# KiCad board amp board.kicad_pcb (continued)
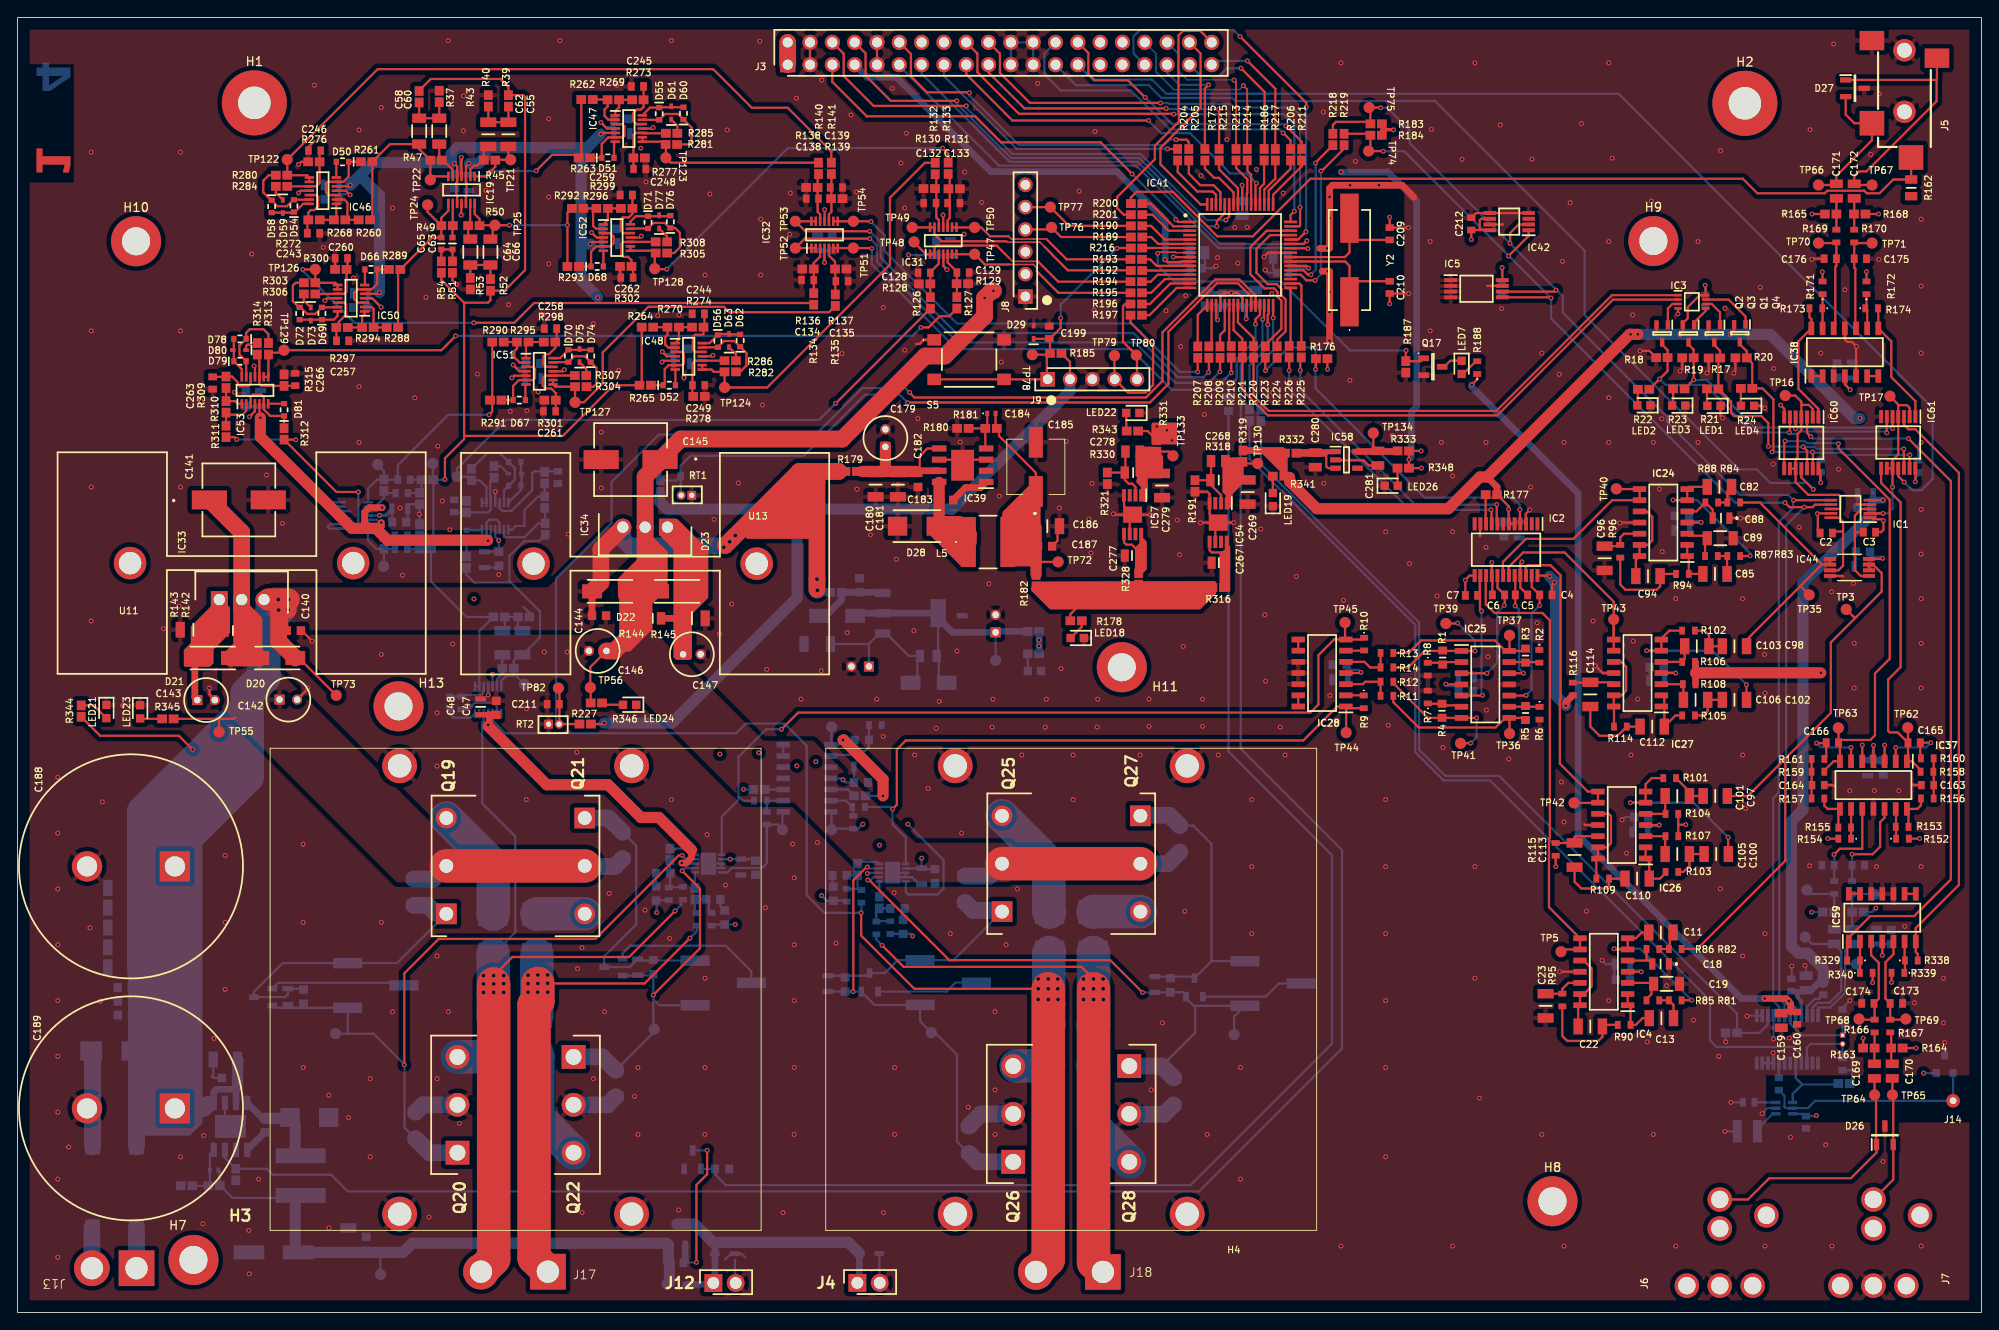
[diagram p0: board, top side]
## Routing (per net, layer and track width the routed paths; a pad name or vN(x,y) marks a point on that pad's centre or on a via; arc(x,y) is an arc through that point) (continued)
  Bottom w1.905: 131.58,26.68 130.23,28.03 Q28.1
/Main Board/Output Stage/Neg R: length 45.5
  Top w0.254: v1(72.36,36.12) 77.67,41.44 77.67,48.21 v1(75.64,50.24)
  Bottom w0.254: Q23.2 72.2,38.33 C217.2 v1(72.36,36.12) 72.36,35.62 ; 72.36,35.62 73.03,34.95 VR4.1 ; 72.36,35.62 72.36,31.82 R243.1 ; U14.7 75.96,50.56 v1(75.64,50.24)
  Bottom w1.905: R243.1 66.56,29.07 Q22.1
/Main Board/Output Stage/Pos L: length 52.4
  Top w0.254: 95.12,36.47 95.12,49.16 96.63,50.67 v1(96.72,50.67)
  Bottom w0.254: v1(96.72,50.67) 96.87,50.52 U15.9 ; 108.29,18.1 R249.1 106.92,19.44 106.92,29.32 104.56,31.69 104.15,31.69 TP118.1 102.73,33.11 VR5.1 97.53,34.99 Q24.2 v1(95.07,36.5) 92.22,36.5 C226.2
  Bottom w1.905: 108.29,18.1 109.25,17.13 Q26.1
/Main Board/Output Stage/Pos R: length 84.6
  Top w0.254: v1(75.64,51.99) 75.26,51.99 65.76,42.49 47.93,42.49 44.02,38.58 v1(44.02,28.17)
  Bottom w0.254: TP112.1 37.58,31.71 ; 37.58,31.71 40.52,31.71 44.04,28.19 44.04,21.03 R235.1 ; 37.58,31.71 VR3.1 29.24,34.66 Q18.2 ; U14.9 76.07,51.56 v1(75.64,51.99)
  Bottom w1.905: R235.1 46.9,18.17 Q20.1
/Main Board/SCL: length 150
  Top w0.254: IC42.2 170.85,123.78 169.88,122.81 169.88,121.64 ; TP75.1 155.11,137.08 ; IC5.6 174.94,116.14 v1(175.11,116.31) ; R183.1 153.98,136.93 ; 206.41,92.41 202.14,92.41 v1(202.13,92.41) ; R218.2 149.71,135.11 150.06,135.46 153.75,135.46
  Bottom w0.254: IC36.17 200.48,34.78 199.82,35.44 199.82,58.52 200.46,59.16 200.46,89.93 202.08,91.55 202.08,92.35 v1(202.13,92.41) 201.52,93.02 196.04,93.02 187.73,101.32 187.73,101.92 187.39,102.26 187.35,102.26 175.87,113.74 175.87,115.62 v1(169.86,121.63) 158.45,133.05 158.45,134.49 155.88,137.06 v1(155.14,137.06)
/Main Board/SDA: length 144.1
  Top w0.254: 174.52,115.47 174.5,115.49 IC5.5 ; v1(201.17,92.13) 201.68,91.62 204.29,91.62 204.58,91.91 206.41,91.91 ; TP74.1 155.41,132.13 ; R219.2 153.81,134.1 ; R184.1 153.98,132.33 ; IC42.1 171.99,122.48 v1(169.7,120.19) 169.72,120.19 169.77,120.24
  Bottom w0.254: v1(201.17,92.13) 195.5,92.13 174.54,113.09 v1(174.54,115.41) 157.84,132.11 v1(155.44,132.11) ; v1(203.35,91.62) 201.29,89.56 201.29,58.62 200.51,57.84 200.51,35.7 201.12,35.09 IC36.18
/Main Board/SPI1_CS_EQ: length 45.1
  Top w0.254: v1(142.04,107.16) 142.01,107.19 R223.2 ; 147.73,107.34 147.78,107.39 R176.1 ; 171.01,89.69 170.99,89.7 v1(170.99,91.34)
  Bottom w0.254: v1(142.04,107.16) 144.65,109.78 147.75,109.78 147.73,109.75 v1(147.73,107.29) 147.73,105.13 160.15,92.71 170.15,92.71 170.99,91.87 v1(170.99,91.34)
/Main Board/SPI1_MISO: length 0.1
  Top w0.254: 143.42,108.56 143.33,108.65
/Main Board/SPI1_MOSI: length 33.8
  Top w0.254: v1(168.35,91.92) 168.35,89.74 168.41,89.69 ; 146,108.66 v1(146,107.18)
  Bottom w0.254: v1(146,107.18) 146,104.95 159.05,91.9 168.33,91.9 v1(168.35,91.92) 168.4,91.87
/Main Board/SPI1_SCLK: length 34.1
  Top w0.254: 167.77,91.16 167.69,91.24 v1(167.69,91.31) 167.76,91.25 167.76,89.69 ; R226.2 v1(144.73,107.17)
  Bottom w0.254: v1(144.73,107.17) 144.73,105.03 158.44,91.31 v1(167.69,91.31)
/Main Board/TV_L: length 67
  Top w0.254: IC61.3 214.7,100.99 215.21,100.48 216,100.48 220.95,95.53 220.95,48.64 216.05,43.74 216.05,43.66 216.05,43.66 IC59.7 216.05,41 216.26,40.79 R338.2
/Main Board/TV_R: length 82.2
  Top w0.254: 208.43,42.64 210.88,45.09 215.87,45.09 220.04,49.26 220.04,94.59 v1(215.21,99.42) 215.14,99.49 ; IC60.3 203.67,100.06 v1(204.09,99.64) ; R329.2 208.25,42.02
  Bottom w0.254: v1(215.21,99.42) 204.32,99.42 v1(204.09,99.64)
/Main Board/Von_L: length 68.2
  Top w0.254: v1(98.4,41.76) 100.84,39.32 121.08,39.32 v2(122.46,37.94)
  Top w3.81: J18.1 122.46,5.68 v2(122.46,36.82)
  Bottom w0.254: R30.1 97.74,42.42 v1(98.4,41.76)
  Bottom w3.81: R253.1 122.46,32.74 122.46,40.89 R252.2
  vias: v2(121.32,37.94) v2(121.32,36.82) v2(121.32,35.6) v2(122.46,35.6) v2(123.55,37.94) v2(123.55,36.82) v2(123.58,35.6)
/Main Board/Von_R: length 61.8
  Top w0.254: v2(59.22,37.43) 71.36,37.43 v1(76.52,42.58)
  Top w3.81: v2(59.22,37.43) 59.22,35.42 58.78,34.99 58.78,6.21 J17.1
  Bottom w0.254: R27.1 77.32,43.38 v1(76.52,42.58) ; 59.11,33.81 R241.1
  Bottom w3.81: R240.2 59.11,33.81
  vias: v2(58.1,38.37) v2(58.1,37.4) v2(58.1,36.44) v2(59.22,38.39) v2(59.19,36.44) v2(60.33,38.39) v2(60.33,37.45) v2(60.33,36.44)
/Main Board/Vop_L: length 131.4
  Top w0.254: v1(96.01,45.47) 96.01,42.88 102.07,36.82 v2(117.31,36.82)
  Top w3.81: v2(117.31,36.82) 117.31,6.01 J18.2
  Bottom w0.254: IC18.3 54.06,67.35 55.52,65.89 81.79,65.89 82.89,66.99 87.29,66.99 89.81,64.47 89.81,47.47 91.82,45.47 v1(96.01,45.47) 96.04,45.49 R29.2
  Bottom w3.81: R250.2 117.38,40.87 117.38,32.67 R251.1
  vias: v2(116.16,37.94) v2(116.16,36.82) v2(116.16,35.6) v2(117.31,37.94) v2(117.31,35.6) v2(118.4,37.94) v2(118.4,36.82) v2(118.42,35.6)
/Main Board/Vop_R: length 95.8
  Top w0.254: v2(54.19,38.32) 56.31,40.44 69.6,40.44 v1(74.83,45.67)
  Top w3.81: v2(54.19,37.38) 54.19,6.08 J17.2
  Bottom w0.254: v1(74.83,45.67) 75.55,46.39 75.55,46.95 ; IC18.5 53.06,67.28 52.88,67.1 52.88,57.91 56.64,54.15 56.64,43.25 R238.2
  Bottom w3.81: R238.2 54.14,40.69 54.14,33.71 R239.1
  vias: v2(53.02,38.32) v2(53.02,37.38) v2(53.02,36.41) v2(54.19,36.41) v2(55.33,38.32) v2(55.33,37.4) v2(55.33,36.41)
BAR: length 36.3
  Top w0.254: v1(144.04,134.19) 144.88,133.35 R206.2
  Bottom w0.254: J3.26 116.87,143.23 116.87,140.87 118.69,139.04 126.7,139.04 131.14,134.59 143.64,134.59 v1(144.04,134.19)
BAR_SCLK: length 32.4
  Top w0.254: R211.2 146.15,133.2 v1(144.37,134.98) ; v1(128.33,138.23) 126.38,140.18 122.58,140.18 121.87,140.89 121.87,143.31 J3.28
  Bottom w0.254: v1(144.37,134.98) 144.15,135.2 131.39,135.2 128.36,138.23 v1(128.33,138.23)
BLANK: length 31.3
  Top w0.254: v1(130.89,132.39) 130.91,132.36 R204.2
  Bottom w0.254: J3.15 105.44,140.67 113.72,132.39 v1(130.89,132.39)
BT_L: length 127.5
  Top w0.254: v1(214.73,94.46) 214.05,95.14 IC61.11
  Bottom w0.254: J3.27 122.35,140.28 129.11,140.28 130.73,138.66 182.22,138.66 217.96,102.92 217.96,94.82 216.69,93.55 215.65,93.55 v1(214.73,94.46)
BT_R: length 114.3
  Top w0.254: IC60.11 203.02,95 v1(204.38,93.64) 204.45,93.57
  Bottom w0.254: 118.14,142.72 J3.25 120.47,139.62 128.75,139.62 130.2,138.18 138.25,138.18 138.61,137.82 161.34,137.82 178.36,120.8 178.36,113.46 195.91,95.91 197.94,95.91 199.47,94.39 203.64,94.39 v1(204.38,93.64)
DISPLAY_BLANK: length 55.5
  Top w0.254: v1(146.74,121.92) 146.39,121.57 IC41.43
  Bottom w0.254: J3.13 102.9,140.92 112.9,130.91 127.48,130.91 136.86,121.54 146.35,121.54 v1(146.74,121.92) ; 103.2,141.68 102.87,142.01
DISPLAY_LAT: length 57.3
  Top w0.254: IC41.42 146.82,121.07 v1(146.86,121.03)
  Bottom w0.254: v1(146.86,121.03) 146.79,121.11 136.68,121.11 127.3,130.48 111.68,130.48 100.36,141.81 J3.11
IR_IN: length 41.7
  Top w0.254: v1(128.73,135.61) 113.23,135.61 107.98,140.87 J3.17 ; v1(141,128.47) 140.9,128.38 IC41.53
  Bottom w0.254: 128.7,135.61 130.15,134.16 133.44,134.16 138.03,129.57 139.9,129.57 v1(141,128.47)
LATCH: length 40.6
  Top w0.254: J3.12 101.68,143.18 101.68,140.64 103.51,138.81 108.28,138.81 v1(108.33,138.76) ; v1(131.85,133.43) 133.04,133.43 133.31,133.16 R205.2
  Bottom w0.254: v1(131.85,133.43) 131.11,133.43 130.49,132.82 113.97,132.82 108.33,138.46 v1(108.33,138.76)
MFB: length 29
  Top w0.254: R201.1 125.91,124.89 125.15,125.65 125.15,126.9 129.44,131.19 129.44,132.74 132.18,135.48 132.18,136.56 132.13,136.61 132.13,145.29 132.66,145.82 134.59,145.82 J3.40
nDISPLAY: length 56.7
  Top w0.254: IC41.59 137.9,124.67 v1(137.52,124.28) ; v1(107.98,137.27) 97.43,137.27 94.03,140.67 94.03,143.21 J3.6
  Bottom w0.254: v1(107.98,137.27) 107.98,137.05 113.24,131.8 127.82,131.8 135.33,124.28 v1(137.52,124.28)
nMULTI1: length 23.5
  Top w0.254: J3.38 134.65,143.23 134.65,137.06 130.07,132.49 130.07,130.63 134.65,126.06 IC41.64
nMULTI2: length 49.4
  Top w0.254: J3.5 92.74,140.01 96.67,136.07 96.7,136.09 108.99,136.09 111.96,133.12 123.27,133.12 v1(126.86,129.53) ; IC41.1 132.09,124.07 v1(131.83,124.33)
  Bottom w0.254: v1(131.83,124.33) 131.83,124.56 v1(126.86,129.53)
nSOURCE: length 54.4
  Top w0.254: v1(136.5,123.57) 136.5,124.16 137.4,125.06 IC41.60 ; v1(106.91,137.85) 106.9,137.85 99.39,137.85 96.52,140.72 96.52,143.26 J3.8
  Bottom w0.254: v1(136.5,123.57) 135.43,123.57 127.66,131.34 113.08,131.34 106.91,137.52 v1(106.91,137.85)
PLAY_PAUSE: length 33.9
  Top w0.254: v1(130.73,136.98) 114.6,136.98 110.52,141.07 J3.19 110.52,141.38 ; R215.2 136.75,136.88 136.73,136.91
  Bottom w0.254: v1(130.73,136.98) 130.81,136.91 v1(136.7,136.91)
TUNE_A: length 53.7
  Top w0.254: J3.18 109.25,143.23 109.25,141.1 113.97,136.37 131.54,136.37 v1(131.59,136.32) ; v1(145.31,125.27) 144.89,124.85 IC41.48
  Bottom w0.254: v1(145.31,125.27) 145.31,135.1 144.07,136.35 136.97,136.35 136.94,136.32 v1(131.59,136.32)
TUNE_B: length 53.8
  Top w0.254: v1(130.07,137.59) 130.05,137.62 115.21,137.62 111.81,141.02 111.81,143.21 J3.20 ; IC41.47 145.88,123.57 145.97,123.66 v1(145.97,125.73)
  Bottom w0.254: v1(145.97,125.73) 145.97,136.17 145.06,137.08 138.46,137.08 138.05,137.49 131.05,137.49 130.95,137.59 v1(130.07,137.59)
UART_RXD: length 16.8
  Top w0.254: 135.3,141.96 J3.39 136.35,142.39 ; R217.2 143.15,139.22 v1(139.98,142.39)
  Bottom w0.254: v1(139.98,142.39) 136.35,142.39 J3.39
UART_TXD: length 17.1
  Top w0.254: R186.2 141.94,132.43 141.94,138.86 v1(139.24,141.55)
  Bottom w0.254: v1(139.24,141.55) 137.64,141.55 136.75,140.67 134.67,140.67 J3.37
VOL+: length 22.4
  Top w0.2: 139.52,139.42 v1(139.52,139.57) 139.95,139.14 R214.2
  Bottom w0.2: J3.34 129.57,143.23 129.57,141.15 131.6,139.12 139.07,139.12 v1(139.52,139.57)
VOL-: length 18.5
  Top w0.2: R213.2 138.68,139.98 v1(138.46,140.21)
  Bottom w0.2: v1(138.46,140.21) 138.43,140.23 133.15,140.23 132.11,141.28 132.11,143.23 J3.36
VOL_A: length 43.9
  Top w0.254: IC41.44 145.74,122.07 v1(146.63,122.96) ; v1(146.67,137.15) 146.67,137.63 v1(139.14,145.16)
  Bottom w0.254: v1(146.63,122.96) 146.66,122.99 146.66,137.13 v1(146.67,137.15) ; J3.33 127.03,143.23 127.03,145.21 127.71,145.9 138.4,145.9 v1(139.14,145.16)
VOL_B: length 14.4
  Top w0.254: R175.2 135.14,139.25 v1(135.56,139.67)
  Bottom w0.2: J3.35 130.84,141.3
  Bottom w0.254: J3.35 130.84,141.05 132.21,139.67 135.56,139.67 v1(135.56,139.67)
Net-(BR1-~{_1}): length 4.7
  Bottom w1.905: J13.1 BR1.3
Net-(BR1-~{_2}): length 4.7
  Bottom w0.254: 8.46,9.65 BR1.4
  Bottom w1.905: J13.2 8.46,9.65
Net-(C11-Pad1): length 3.2
  Top w0.254: R86.1 R82.2 188.06,41.47 188.06,42.88 C11.1
Net-(C13-Pad2): length 3.3
  Top w0.254: R85.1 R81.2 188.48,34.97 C13.2
Net-(C22-Pad1): length 11.4
  Top w0.254: R95.1 175.82,31.45 176.38,30.89 179.91,30.89 180.38,31.36 C22.1 180.56,32.72 R90.2
Net-(C49-Pad2): length 4.9
  Bottom w0.254: C50.1 56.95,78.08 R35.1 R36.1 55.46,77.86 C49.2
Net-(C55-Pad1): length 5.8
  Top w0.254: R39.2 C55.1 C62.2 R40.2
Net-(C56-Pad1): length 4.2
  Bottom w0.254: C57.1 44.45,93.25 R42.2 45.98,93.47 R41.1 C56.1
Net-(C58-Pad1): length 5.9
  Top w0.254: R43.2 C60.1 C58.1 R37.2
Net-(C59-Pad1): length 4.3
  Bottom w0.254: C61.1 R44.2 R38.2 C59.1
Net-(C63-Pad2): length 4
  Top w0.254: R54.1 C65.1 C63.2 R51.2
Net-(C64-Pad2): length 5.4
  Top w0.254: R52.1 C66.1 C64.2 R53.2
Net-(C82-Pad1): length 3
  Top w0.254: C82.1 194.6,93.46 R84.2 R88.1
Net-(C85-Pad2): length 3.1
  Top w0.254: R87.1 R83.2 194.57,86.02 C85.2
Net-(C94-Pad1): length 11.1
  Top w0.254: R94.2 187.2,84.02 C94.1 186.95,82.61 186.56,82.22 183.01,82.22 182.41,82.82 R96.1
Net-(C100-Pad2): length 4.6
  Top w0.254: C100.2 C105.1 190.29,50.81 189.59,50.12 R103.1
Net-(C101-Pad1): length 4.2
  Top w0.254: R101.1 190.29,59.26 C101.1 C97.2
Net-(C102-Pad2): length 4.6
  Top w0.254: C102.2 C106.1 192.36,68.44 191.85,67.92 R105.1
Net-(C103-Pad1): length 4.6
  Top w0.254: C98.2 C103.1 192.51,77.09 192.02,77.57 R102.1
Net-(C110-Pad2): length 8.8
  Top w0.254: C110.2 R109.2 181.14,48.35 181.03,48.23 177.98,48.23 177.21,49 C113.1
Net-(C112-Pad2): length 8.8
  Top w0.254: C112.2 R114.2 182.11,65.61 180.06,65.61 179.01,66.66 C114.1
Net-(C143-+): length 14.8
  Top w0.254: R143.1 22.15,77.67 22.24,77.58
  Top w0.762: R142.2 23.55,77.58 22.24,77.58 ; C143.1 20.18,69.95 D21.2 20.18,76.34 R143.1 21.52,78.19 22.96,79.64 IC33.1
Net-(C147-+): length 18.8
  Top w0.762: R145.1 R144.2 ; R145.1 75.26,79.86 77.13,81.72 D23.2 77.13,86.18 IC34.1 ; R145.1 75.23,78.94 75.23,75.39 C147.1
Net-(C153-Pad1): length 6.6
  Bottom w0.254: TP60.1 211.3,47.62 208.8,47.62 R148.1 C153.1
Net-(C154-Pad1): length 7.3
  Bottom w0.254: TP61.1 204.1,47.62 206.77,47.62 R149.1 C154.1
Net-(C163-Pad1): length 4.6
  Top w0.254: R160.1 R156.2
Net-(C164-Pad1): length 4.5
  Top w0.254: R161.1 204.19,62.97 R159.1 204.19,60.05 C164.1 204.19,59.94 R157.2
Net-(C169-Pad1): length 3.6
  Top w0.254: C169.1 211.33,30.06 R163.1 R166.1
Net-(C170-Pad1): length 3.7
  Top w0.254: C170.1 213.25,28.4 R164.1 213.25,31.75 R167.1
Net-(C171-Pad1): length 3.6
  Top w0.254: C171.1 R169.1
Net-(C172-Pad1): length 3.6
  Top w0.254: C172.1 209.04,125 R168.1 209.04,124.94 R170.1
Net-(C179-+): length 16.1
  Top w0.254: 102.72,95.76 C182.1 ; 102.32,95.68 102.37,95.63 ; 102.69,95.76 102.69,97.43 103.55,98.3 IC39.5 ; 100.39,95.76 C181.1
  Top w0.762: IC39.7 102.72,95.76
  Top w1.27: 98.88,95.68 102.32,95.68 ; 98.88,95.68 98.77,95.79 C179.1 ; 98.88,95.68 96.11,95.68
Net-(C185-+): length 26
  Top w0.254: TP72.1 115.97,85.39 ; C185.1 115.89,95.54 111.7,99.73 111.7,100.33 R181.2 111.31,100.72 C184.2
  Top w1.27: C185.1 115.35,93.41 112.72,90.78 112.72,87.66 L5.2 ; 115.92,89.36 115.92,83.99
Net-(C221-Pad1): length 4.4
  Bottom w0.254: 75.55,48.4 74.28,48.4 C221.1 74.25,50 R335.2
Net-(C221-Pad2): length 1.5
  Bottom w0.254: C221.2 72.68,48.48 C223.1
Net-(C222-Pad1): length 4.4
  Bottom w0.254: R16.1 78.69,45.76 78.69,46.7 C222.1 77.11,47 R334.1 77.1,45.66
Net-(C222-Pad2): length 1.5
  Bottom w0.254: C224.1 79.99,46.23 C222.2
Net-(C231-Pad1): length 5.3
  Bottom w0.254: 94.08,48.19 95.91,48.19 R29.1 95.7,48.07 95.61,48.17 R337.2 C231.1
Net-(C231-Pad2): length 1.3
  Bottom w0.254: C231.2 92.76,48.52 C233.1
Net-(C232-Pad1): length 4.5
  Bottom w0.254: C232.1 99.32,45.97 R336.1 97.74,45.63 R30.2 97.79,44.51 R25.1
Net-(C232-Pad2): length 1.4
  Bottom w0.254: 100.61,44.69 100.61,45.63 C232.2
Net-(C274-+): length 17.8
  Bottom w0.254: 96.9,76.03 96.9,76.07 98.08,77.25 IC56.1 98.87,77.25 101.43,74.69 R325.2 102.41,74.39 102.41,72.41 D83.2 ; 96.9,76.03 R326.2 ; 96.9,76.03 C274.1
Net-(C275-+): length 32.9
  Bottom w0.254: IC56.4 104.78,74.85 R325.1 104.85,74.45 104.85,72.45 105.66,71.64 D83.1 ; TP132.1 C275.1 111.42,77.48 ; 107.59,77.38 C276.1 ; 95.62,79.55 D82.2
  Bottom w0.762: 95.62,79.55 IC56.2 IC56.4 104.78,78.99 106.39,77.38 C275.1 ; R327.1 111.42,77.48
Net-(D1-A): length 33.4
  Bottom w0.254: 79.38,3.53 J12.1 79.04,3.2 ; 95.81,3.59 J4.1 95.84,3.62
  Bottom w0.762: D19.2 95.81,3.59 ; 79.38,3.53 D84.2 79.38,7.59 ; D1.1 79.04,3.2
  Bottom w1.27: Q5.3 77.06,10.06 79.15,7.98 94.55,7.98 D19.2
Net-(D17-K): length 10.4
  Bottom w0.254: D17.1 30.93,22.09 31.6,21.43 ; C123.1 27.88,22.09
  Bottom w0.762: 27.88,22.09 IC30.8
  Bottom w1.27: L2.1 31.6,18.45 31.6,21.43 ; C123.1 30.93,22.09
Net-(D28-K): length 10.8
  Top w0.254: IC39.8 104.89,94.44 ; D28.1 105.1,89.46
  Top w0.762: 104.89,94.44 104.88,94.44 ; 104.88,89.78 D28.1
  Top w1.27: 104.88,94.44 C183.1 104.88,89.78
  Top w1.905: D28.1 104.76,89.66 107.11,89.66 108.21,88.56 L5.1
Net-(D50-A): length 1.8
  Top w0.254: D50.2 IC46.7
Net-(D50-K): length 8.3
  Top w0.254: IC46.3 35.41,127.13 35.1,127.43 35.1,128.42 35.31,128.63 IC46.6 37.08,128.63 37.68,129.23 D50.1 R261.2
Net-(D51-A): length 1.9
  Top w0.254: D51.2 67.89,133.05 IC47.7
Net-(D51-K): length 8.1
  Top w0.254: IC47.3 68.83,135.2 69.09,134.94 69.09,133.88 68.9,133.7 IC47.6 67.24,133.7 66.49,132.95 D51.1 R263.2
Net-(D52-A): length 1.8
  Top w0.254: D52.2 74.88,107.25 IC48.7
Net-(D52-K): length 7.9
  Top w0.254: R265.2 D52.1 73.65,105.66 73.65,107.31 74.12,107.78 IC48.6 75.65,107.78 75.84,107.98 75.84,109.08 75.65,109.28 IC48.3
Net-(D53-A): length 1.8
  Bottom w0.254: IC49.7 52.78,88.98 D53.2
Net-(D53-K): length 8.2
  Bottom w0.254: R267.2 D53.1 52.51,87.58 53.36,88.44 IC49.6 53.36,89.87 53.68,90.19 54.54,90.19 54.86,89.87 IC49.3
Net-(D54-A): length 9.2
  Top w0.254: IC46.13 33.17,126.59 D54.2 31.39,126.59 30.66,125.86 29.59,125.86 D58.1 28.87,126.53 27.97,127.43 27.97,128.76 28.59,129.39 R280.2
Net-(D54-K): length 4.7
  Top w0.254: D58.2 31.39,125.13 D54.1 31.57,125.19 32.5,126.13 IC46.14
Net-(D55-A): length 9.9
  Top w0.254: IC47.13 71.12,135.68 D55.2 73.7,136.35 75.17,136.35 D60.1 76.71,134.81 76.71,133.15 76.45,132.89 R281.2
Net-(D55-K): length 5.1
  Top w0.254: IC47.14 71.99,137.08 D55.1 73.07,137.12 D60.2
Net-(D56-A): length 8.8
  Top w0.254: IC48.13 77.96,109.81 D56.2 80.41,110.52 81.59,110.52 D62.1 82.96,109.16 82.96,107.73 82.25,107.02 R282.2
Net-(D56-K): length 4.8
  Top w0.254: IC48.14 78.75,110.28 79.68,111.21 D56.1 79.82,111.32 D63.2 81.02,111.27 D62.2
Net-(D57-A): length 10.8
  Bottom w0.254: D57.2 55.36,93.53 IC49.13 ; D57.2 56.59,94.76 56.59,96.05 D64.1 54.85,97.79 53.48,97.79 R283.2 ; D57.2 55.89,94.08
Net-(D57-K): length 5.2
  Bottom w0.254: D64.2 57.29,95.49 D65.2 57.35,94.12 D57.1 57.3,93.58 55.87,92.14 IC49.14
Net-(D59-K): length 1.9
  Top w0.254: D59.1 29.39,127.37 R284.1
Net-(D61-K): length 1.9
  Top w0.254: D61.1 75.09,135.03 R285.1
Net-(D63-K): length 1.9
  Top w0.254: D63.1 81.77,109.03 R286.1
Net-(D65-K): length 2
  Bottom w0.254: R287.1 55,96.28 D65.1
Net-(D66-A): length 1.8
  Top w0.254: IC50.7 39.53,116.93 D66.2
Net-(D66-K): length 8.1
  Top w0.254: IC50.3 38.7,114.89 38.32,115.28 38.32,116.01 38.7,116.39 IC50.6 40.3,116.39 40.93,117.03 D66.1 R289.2
Net-(D67-A): length 1.8
  Top w0.254: D67.2 57.8,105.52 IC51.7
Net-(D67-K): length 8
  Top w0.254: R291.2 D67.1 56.4,105.41 57.07,106.08 IC51.6 58.66,106.08 58.89,106.31 58.89,107.35 58.66,107.58 IC51.3
Net-(D68-A): length 1.8
  Top w0.254: D68.2 IC52.7
Net-(D68-K): length 8.1
  Top w0.254: R293.2 D68.1 65.28,120.7 65.87,121.29 IC52.6 67.47,121.29 67.84,121.66 67.84,122.42 67.47,122.79 IC52.3
Net-(D69-A): length 9.2
  Top w0.254: R303.2 31.65,117.15 31.33,116.83 31.33,115.05 32.03,114.35 D72.1 32.19,114.35 32.93,113.61 33.91,113.61 D69.2 36.38,114.35 IC50.13
Net-(D69-K): length 5
  Top w0.254: D72.2 D69.1 35.99,112.95 36.42,113.38 IC50.14
Net-(D70-A): length 8.9
  Top w0.254: IC51.13 60.98,108.12 D70.2 63.35,108.78 64.57,108.78 D74.1 65.88,107.47 65.88,105.65 65.56,105.32 R304.2
Net-(D70-K): length 4.7
  Top w0.254: IC51.14 61.75,108.58 D70.1 D74.2
Net-(D71-A): length 9.8
  Top w0.254: R305.2 74.73,120.53 75.39,121.18 75.39,122.83 74.84,123.39 D76.1 74.23,123.39 73.66,123.95 72.38,123.95 D71.2 69.78,123.32 IC52.13
Net-(D71-K): length 5.1
  Top w0.254: D76.2 74.23,124.72 D71.1 70.37,124.72 69.75,124.11 IC52.14
Net-(D73-K): length 1.9
  Top w0.254: R306.1 32.58,115.13 D73.1
Net-(D75-K): length 1.8
  Top w0.254: D75.1 64.72,107.36 R307.1
Net-(D77-K): length 1.9
  Top w0.254: R308.1 73.93,122.42 D77.1
Net-(D78-A): length 4.7
  Top w0.254: D78.2 D79.1 25.52,107.31 IC53.14
Net-(D78-K): length 9.6
  Top w0.254: R313.2 28.55,111.3 27.99,111.87 26.42,111.87 26.01,111.46 D78.1 26.01,110.76 25.25,109.99 25.25,108.99 D79.2 26.02,108.21 IC53.13
Net-(D80-K): length 1.9
  Top w0.254: D80.1 26,109.95 26.16,110.11 26.44,110.11 26.62,110.28 R314.1
Net-(D81-A): length 1.8
  Top w0.254: D81.2 28.55,103.4 IC53.7
Net-(D81-K): length 7.9
  Top w0.254: R312.2 D81.1 28.76,102 28.02,102.74 IC53.6 28.02,104.16 27.76,104.42 26.78,104.42 26.52,104.16 IC53.3
Net-(D82-K): length 8.9
  Bottom w0.254: 98.4,81.93 98.48,81.85
  Bottom w0.762: 98.4,81.93 R324.2 93.79,81.06 91.99,79.26 D82.1
Net-(IC2-SDO): length 3.4
  Top w0.254: R177.1 167.09,89.7 167.11,89.69
Net-(IC4-+_IN_B): length 4.3
  Top w0.254: IC4.5 185.5,40.03 ; 185.5,40.03 185.4,40.12 R86.2 ; 185.5,40.03 185.67,40.03 C18.2
Net-(IC4-+_IN_C): length 9.2
  Top w0.254: IC4.10 178.27,40.03 179.15,39.15 179.15,37.1 178.27,36.22 IC4.13 IC4.14 177.62,34.74 C22.2
Net-(IC4-+IN_A): length 5.2
  Top w0.254: R85.2 185.4,35.64 185.95,36.2 185.95,37.13 C19.1 186.11,37.49 IC4.3
Net-(IC4-+IN_D): length 4.7
  Top w0.254: C23.2 175.81,36.26 R95.2 175.82,36.8 176.5,37.49 IC4.12
Net-(IC4--IN_A): length 6.1
  Top w0.254: C13.1 184.94,33.48 184.18,32.72 R90.1 183.58,34.62 IC4.1 IC4.2
Net-(IC4--IN_B): length 17.9
  Top w0.254: C11.2 184.86,43.23 184.2,42.57 IC4.7 IC4.6 181.79,41.3 v1(181.71,41.38) ; v1(190.54,35.52) 189.4,35.52 R81.1
  Bottom w0.254: v1(181.71,41.38) 184.68,41.38 v1(190.54,35.52) 190.55,35.51
Net-(IC18-3IN+): length 4.7
  Bottom w0.254: IC18.10 53.06,70.62 52.98,70.54 52.98,70.39 52.82,70.23 50.68,70.23 R33.1 ; 50.47,70.06 50.44,70.08 R32.1
Net-(IC18-4IN-): length 3.8
  Bottom w0.254: IC18.13 54.56,72.07 55.17,72.68 R34.1 C49.1
Net-(IC19-1IN-): length 4.5
  Top w0.254: IC19.2 51.53,130.05 51.96,130.48 52.32,130.48 52.94,131.1 R45.1 53.07,132.15 C62.1
Net-(IC19-2IN-): length 4.4
  Top w0.254: IC19.6 49.53,130 48.44,131.1 R47.1 47.99,131.38 C60.2
Net-(IC19-3IN-): length 3.3
  Top w0.254: 49.55,126.16 IC19.9 ; 49.53,125.57 R49.1 49.5,123.62 C63.1
Net-(IC19-4IN-): length 3.7
  Top w0.254: C64.1 51.28,122.38 R50.1 51.52,123.89 51.52,125.58
Net-(IC20-1IN-): length 4.4
  Bottom w0.254: C57.2 41.95,93.22 R46.1 41.69,92.68 40.69,91.68 IC20.2
Net-(IC20-2IN-): length 4.1
  Bottom w0.254: C61.2 41.92,88.39 R48.1 41.69,88.67 40.69,89.68 IC20.6
Net-(IC20-3IN-): length 3.2
  Bottom w0.254: IC20.9 35.58,89.68 35.31,89.41 35.54,89.18 IC20.8
Net-(IC20-4IN-): length 3
  Bottom w0.254: IC20.13 35.63,91.68 35.41,91.9 35.69,92.18 IC20.14
Net-(IC24-+_IN_B): length 4.6
  Top w0.254: C88.2 192.93,91.32 R88.2 191.08,91.14 IC24.5
Net-(IC24-+_IN_C): length 9.8
  Top w0.254: IC24.10 185.42,91.14 186.06,90.5 186.06,87.83 185.55,87.33 IC24.13 IC24.14 184.19,85.64 C94.2
Net-(IC24-+IN_A): length 4.6
  Top w0.254: R87.2 192.06,87.83 C89.1 192.04,88.37 190.26,88.37 IC24.3
Net-(IC24-+IN_D): length 5.1
  Top w0.254: IC24.12 182.83,88.6 182.41,88.18 R96.2 182.27,87.18 C96.2
Net-(IC24--IN_A): length 5
  Top w0.254: C85.1 R94.1 190.21,85.88 IC24.1 IC24.2
Net-(IC24--IN_B): length 18
  Top w0.254: v1(188.42,92.43) 188.44,92.41 IC24.6 IC24.7 190.29,93.93 C82.2 ; 197.21,86.11 v1(197.19,86.09) 197.15,86.06 R83.1
  Bottom w0.254: v1(188.42,92.43) 191.16,92.43 197.19,86.4 v1(197.19,86.09)
Net-(IC25--IN_A): length 4
  Top w0.254: R8.1 162,73.92 R1.2 162.48,73.99 IC25.2
Net-(IC25--IN_B): length 4.1
  Top w0.254: R4.1 160.54,69.25 R7.1 ; R4.1 162.32,69.06 164.19,69.06 IC25.6 ; R4.1 162.13,69.25 ; IC25.6 164.27,68.84 ; IC25.6 164.31,68.94
Net-(IC25--IN_C): length 3.5
  Top w0.254: 169.8,68.94 IC25.9 173.22,68.91 R6.1
Net-(IC25--IN_D): length 3.5
  Top w0.254: R2.2 173.14,73.99 IC25.13
Net-(IC26-+_IN_B): length 4.3
  Top w0.254: IC26.5 R104.2 187.53,56.76 C101.2
Net-(IC26-+_IN_C): length 10
  Top w0.254: IC26.10 181.1,56.72 181.36,56.46 181.36,53.39 180.88,52.91 IC26.13 IC26.14 179.69,51.46 R109.1
Net-(IC26-+IN_A): length 4.3
  Top w0.254: C105.2 187.53,54.14 R107.1 IC26.3
Net-(IC26-+IN_D): length 5.5
  Top w0.254: R115.2 177.2,53.4 C113.2 177.21,54.1 177.3,54.18 IC26.12
Net-(IC26--IN_A): length 6
  Top w0.254: R103.2 187.57,49.99 186.94,49.36 C110.1 185.71,51.23 IC26.1 IC26.2
Net-(IC26--IN_B): length 20.8
  Top w0.254: v1(183.57,57.99) 183.57,57.99 IC26.6 IC26.7 185.3,60.1 185.98,60.79 R101.2 ; C100.1 194.69,52.17 v1(194.69,54.05)
  Bottom w0.254: v1(183.57,57.99) 190.75,57.99 v1(194.69,54.05)
Net-(IC27-+_IN_B): length 4.3
  Top w0.254: IC27.5 R106.2 189.75,74.3 C103.2
Net-(IC27-+_IN_C): length 9.6
  Top w0.254: R114.1 181.7,68.9 IC27.14 IC27.13 182.55,70.21 183.08,70.74 183.08,73.46 182.52,74.02 IC27.10
Net-(IC27-+IN_A): length 4.2
  Top w0.254: IC27.3 R108.1 189.6,71.41 C106.2
Net-(IC27-+IN_D): length 4.8
  Top w0.254: IC27.12 181.45,71.7 C114.2 178.97,71.66 R116.2
Net-(IC27--IN_A): length 6.3
  Top w0.254: IC27.2 187.43,69.87 C112.1 188.7,67.92 R105.2
Net-(IC27--IN_B): length 20.5
  Top w0.254: v1(196.77,71.43) 196.77,69.71 C102.1 ; v1(185.42,75.29) IC27.6 IC27.7 187.09,76.68 187.99,77.57 R102.2
  Bottom w0.254: v1(196.77,71.43) 192.91,75.29 v1(185.42,75.29)
Net-(IC28-+_IN_B): length 5.9
  Top w0.254: IC28.5 153.29,74.02 153.92,73.38 R14.2 R13.2
Net-(IC28-+IN_A): length 5.7
  Top w0.254: IC28.3 153.11,71.48 153.39,71.76 R12.2 R11.2
Net-(IC28--IN_A): length 2
  Top w0.254: IC28.2 153.2,70.21 R9.1
Net-(IC28--IN_B): length 2.1
  Top w0.254: R10.2 153.24,75.29 IC28.6
Net-(IC28--IN_C): length 1.3
  Top w0.254: IC28.8 IC28.9
Net-(IC28--IN_D): length 1.3
  Top w0.254: IC28.14 IC28.13
Net-(IC30-BOOT): length 2.8
  Bottom w0.254: C123.2 28.13,20.48
  Bottom w0.762: 28.13,20.48 IC30.1
Net-(IC30-FB): length 6.2
  Bottom w0.254: 19.89,14.4 21.72,14.4 21.89,14.58 21.89,18.04 22.33,18.48
Net-(IC31-1IN+): length 5.3
  Top w0.254: R126.2 C128.2 103.89,118.37 104.86,119.34 IC31.3
